# Altium PCB PiMX8MPIODB_r0.1.PcbDoc (part 2 of 3)
Units mm, origin at the board's own origin, x right, y up, seen from the top; angles counter-clockwise.
Board outline 54.2 x 38.2 mm, 6 copper layers (Top Layer, L2 GND, L3 SIG, GND, GND (Mid2), Bottom Layer), stack 1.538 mm thick; 73 components, 73 nets, 333 pads, 771 vias.
Unrouted connection lines stored in the file: 39.
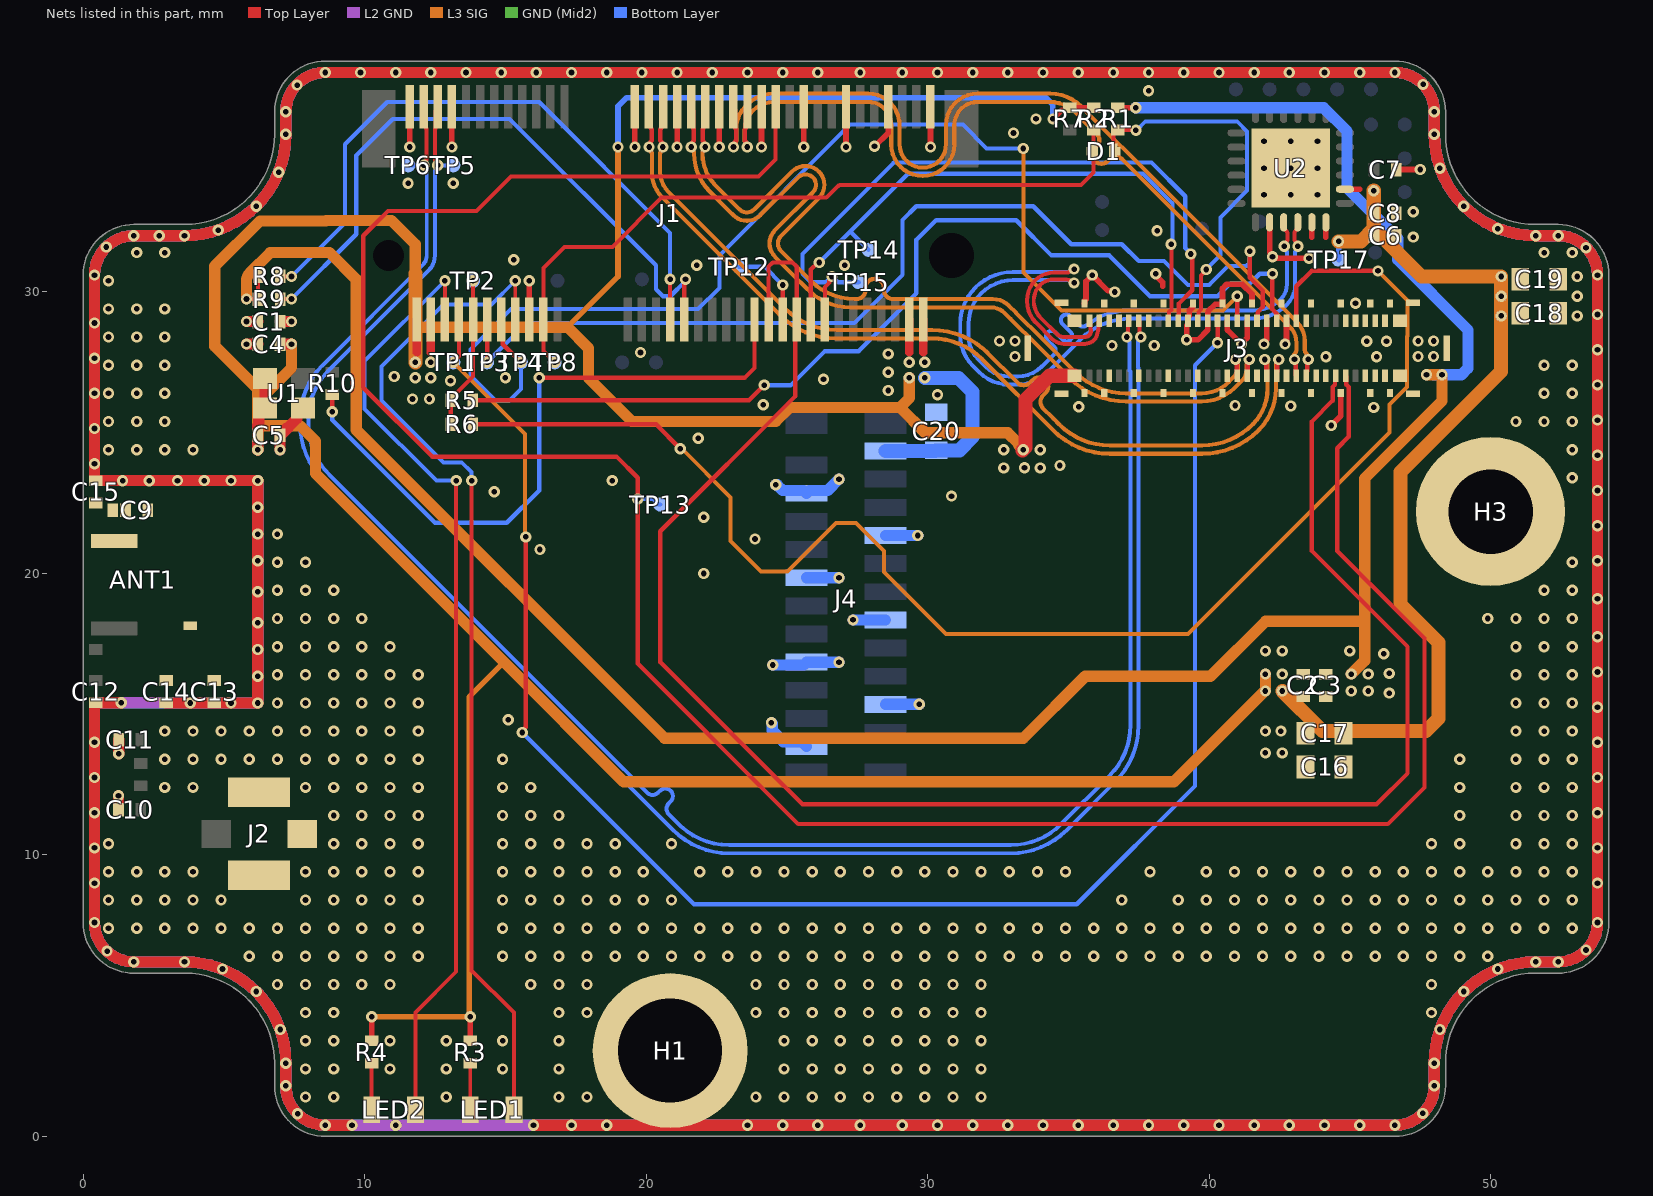
[diagram p6: the nets of this part, all layers, seen from the top]

## Via types
v1: diameter 0.4/0.4/0.4/0.4/0.4/0.4 (per signal layer), hole 0.2, Top Layer to Bottom Layer, tented both sides, 389 vias
v2: diameter 0.4, hole 0.2, Top Layer to Bottom Layer, tented both sides, 382 vias

## Nets (pads, with @x,y where several pads share a name; then routed paths per layer and width w, separated by ;. In a path a pad name is that pad's centre, name@x,y a point inside that pad or via, vN(x,y) a via of type N, cw(c..) or ccw(c..) an arc to the next point about the centre after c; other vN are vias at no path point) (continued)
GND: C1.2 C2.2 C3.2 C4.2 C5.2 C6.2 C7.2 C8.2 C10.2 C11.2 C12.1 C13.2 C14.2 C15.2 C16.2 C17.2 C18.2 C19.2 C20.2 H1.MT H3.MT J1.1 J1.7 J1.18 J1.33 J1.39 J1.45 J1.51 J1.57 J1.63 J1.69 J1.75 J2.2 J3.5 J3.6 J3.7 J3.12 J3.13 J3.18 J3.21 J3.24 J3.25 J3.29 J3.30 J3.33 J3.36 J3.37 J3.41 J3.42 J3.45 J3.48 J3.50 J3.53 J3.55 J3.57 J3.58 J3.59 J3.60 J3.61 J3.62 J3.P1 J3.P3 J3.SHD J4.1 J4.4 J4.7 J4.10 J4.13 J4.16 J4.19 U1.2 U2.2 U2.25 | length 768.2
  Top Layer w0.2: v2(11.6,35.15) J1.1@11.6,36.575 ; v2(13.1,35.15) J1.7@13.1,36.575 ; J1.18@15.85,29.025 v2(15.85,30.4) ; v2@19.6,35.224 J1.33@19.6,36.575 ; v2@21.1,35.2 J1.39@21.1,36.575 ; v2(22.6,35.15) J1.45@22.6,36.575 ; v2(24.1,35.15) J1.51@24.1,36.575 ; v2(25.6,35.15) J1.57@25.6,36.575 ; v2(27.1,35.15) J1.63@27.1,36.575 ; v2@28.1,35.15 28.6,35.65 J1.69@28.6,36.575 ; v2(30.1,35.15) J1.75@30.1,36.575 ; J3.SHD@35.575,29.59 35.585,29.6 35.585,29.705 35.628,29.747 35.628,30.378 v2(35.85,30.6) 36.412,30.038 36.612,30.038 v2(36.65,30) ; v2(38.1,30.65) 38.1,30.596 38.35,30.346 38.35,30.2 ; J3.SHD@39.425,29.59 39.415,29.58 39.415,29.457 39.3,29.342 39.3,29.15 39.25,29.1 J3.21@39.25,28.975 39.25,28.85 39.2,28.8 v2(39.2,28.3) 39.6,28.3 39.95,28.65 J3.25@39.95,28.975 39.95,29.257 39.965,29.272 39.965,29.315 40.22,29.57 40.465,29.57 40.475,29.58 J3.SHD@40.475,29.59 40.475,30.125 40.625,30.275 41.176,30.275 41.525,29.926 J3.SHD@41.525,29.59 ; J3.29@40.65,28.975 40.65,28.65 v2(41.15,28.15) 41.15,28.167 41.35,28.367 J3.33@41.35,28.975 ; v2(41.95,28.15) 41.95,28.204 42.05,28.304 J3.37@42.05,28.975 ; U2.2@42.15,32.475 42.15,31.404 42.25,31.304 v2(42.25,31.25) 42.288,31.212 42.43,31.212 42.441,31.2 v2(43.55,31.2) ; v2(42.7,28.15) 42.7,28.204 42.75,28.254 J3.41@42.75,28.975 ; v2(44.338,25.258) 44.675,25.595 J3.SHD@44.675,26.41 ; C7.2@46.645,34.35 v2(47.5,34.35)
  Top Layer w0.4: C12.1@0.4,15.4 v2(0.4,7.6) ccw(c1.8,7.6) v2(1.8,6.2) v2(3.6,6.2) cw(c3.6,2.6) v2(7.2,2.6) v2(7.2,1.8) ccw(c8.6,1.8) v2(8.6,0.4) v2(9.55,0.4) ; C12.1@0.45,15.405 v2(1.35,15.405) ; C10.2@1.255,11.6 v2(1.255,12.1) ; v2(1.26,13.6) C11.2@1.26,14.1 ; C14.2@2.95,15.4 v2(6.2,15.4) v2(6.2,16.35) v2(6.2,17.3) v2(6.2,21.4) v2(6.2,22.35) v2(6.2,23.3) 0.4,23.3 v2(0.4,30.6) cw(c1.8,30.6) v2(1.8,32) v2(3.6,32) ccw(c3.6,35.6) v2(7.2,35.6) v2(7.2,36.4) cw(c8.6,36.4) v2(8.6,37.8) v2(26.1,37.8) v2(27.6,37.8) v2(29.1,37.8) v2(46.6,37.8) cw(c46.6,36.4) v2(48,36.4) v2(48,35.6) ccw(c51.6,35.6) v2(51.6,32) v2(52.4,32) cw(c52.4,30.6) v2(53.8,30.6) v2(53.8,7.6) cw(c52.4,7.6) v2(52.4,6.2) v2(51.6,6.2) ccw(c51.6,2.6) v2(48,2.6) v2(48,1.8) cw(c46.6,1.8) v2(46.6,0.4) v2(16,0.4) ; v2(5.8,28.15) C4.2@6.205,28.15 ; v2(5.8,28.95) C1.2@6.205,28.95 ; v2(6.995,24.4) C5.2@6.995,24.905 6.995,24.935 7.005,24.945 7.035,24.945 7.584,25.494 7.584,25.705 7.759,25.88 U1.2@7.809,25.88
  L2 GND w0.4: 0.4,15.4 v2(0.4,7.6) ccw(c1.8,7.6) v2(1.8,6.2) v2(3.6,6.2) cw(c3.6,2.6) v2(7.2,2.6) v2(7.2,1.8) ccw(c8.6,1.8) v2(8.6,0.4) v2(16,0.4) v2(46.6,0.4) ccw(c46.6,1.8) v2(48,1.8) v2(48,2.6) cw(c51.6,2.6) v2(51.6,6.2) v2(52.4,6.2) ccw(c52.4,7.6) v2(53.8,7.6) v2(53.8,30.6) ccw(c52.4,30.6) v2(52.4,32) v2(51.6,32) cw(c51.6,35.6) v2(48,35.6) v2(48,36.4) ccw(c46.6,36.4) v2(46.6,37.8) v2(29.1,37.8) v2(27.6,37.8) v2(26.1,37.8) v2(8.6,37.8) ccw(c8.6,36.4) v2(7.2,36.4) v2(7.2,35.6) cw(c3.6,35.6) v2(3.6,32) v2(1.8,32) ccw(c1.8,30.6) v2(0.4,30.6) 0.4,23.3 v2(6.2,23.3) v2(6.2,22.35) v2(6.2,21.4) v2(6.2,17.3) v2(6.2,16.35) v2(6.2,15.4) 2.95,15.4 ; 0.45,15.405 2.95,15.405
  GND (Mid2) w0.4: 0.4,15.4 v2(0.4,7.6) ccw(c1.8,7.6) v2(1.8,6.2) v2(3.6,6.2) cw(c3.6,2.6) v2(7.2,2.6) v2(7.2,1.8) ccw(c8.6,1.8) v2(8.6,0.4) v2(16,0.4) v2(46.6,0.4) ccw(c46.6,1.8) v2(48,1.8) v2(48,2.6) cw(c51.6,2.6) v2(51.6,6.2) v2(52.4,6.2) ccw(c52.4,7.6) v2(53.8,7.6) v2(53.8,30.6) ccw(c52.4,30.6) v2(52.4,32) v2(51.6,32) cw(c51.6,35.6) v2(48,35.6) v2(48,36.4) ccw(c46.6,36.4) v2(46.6,37.8) v2(29.1,37.8) v2(27.6,37.8) v2(26.1,37.8) v2(8.6,37.8) ccw(c8.6,36.4) v2(7.2,36.4) v2(7.2,35.6) cw(c3.6,35.6) v2(3.6,32) v2(1.8,32) ccw(c1.8,30.6) v2(0.4,30.6) 0.4,23.3 v2(6.2,23.3) v2(6.2,22.35) v2(6.2,21.4) v2(6.2,17.3) v2(6.2,16.35) v2(6.2,15.4) 2.95,15.4 ; 0.45,15.405 2.95,15.405
  Bottom Layer w0.25: J4.7@25.6,16.75 J4.7@25.7,16.85
  Bottom Layer w0.4: 0.4,15.4 v2(0.4,7.6) ccw(c1.8,7.6) v2(1.8,6.2) v2(3.6,6.2) cw(c3.6,2.6) v2(7.2,2.6) v2(7.2,1.8) ccw(c8.6,1.8) v2(8.6,0.4) v2(16,0.4) v2(46.6,0.4) ccw(c46.6,1.8) v2(48,1.8) v2(48,2.6) cw(c51.6,2.6) v2(51.6,6.2) v2(52.4,6.2) ccw(c52.4,7.6) v2(53.8,7.6) v2(53.8,30.6) ccw(c52.4,30.6) v2(52.4,32) v2(51.6,32) cw(c51.6,35.6) v2(48,35.6) v2(48,36.4) ccw(c46.6,36.4) v2(46.6,37.8) v2(29.1,37.8) v2(27.6,37.8) v2(26.1,37.8) v2(8.6,37.8) ccw(c8.6,36.4) v2(7.2,36.4) v2(7.2,35.6) cw(c3.6,35.6) v2(3.6,32) v2(1.8,32) ccw(c1.8,30.6) v2(0.4,30.6) 0.4,23.3 v2(6.2,23.3) v2(6.2,22.35) v2(6.2,21.4) v2(6.2,17.3) v2(6.2,16.35) v2(6.2,15.4) 2.95,15.4 ; 0.45,15.405 2.95,15.405 ; v2(24.45,14.7) 24.479,14.671 24.479,14.421 24.875,14.025 25.525,14.025 J4.1@25.7,13.85 ; v2(24.5,16.75) J4.7@25.6,16.75 ; v2(24.6,23.15) 24.654,23.15 24.854,22.95 25.6,22.95 J4.19@25.7,22.85 25.8,22.95 26.45,22.95 v2(26.85,23.35) ; J4.7@25.7,16.85 v2(26.85,16.85) ; J4.13@25.7,19.85 v2(26.85,19.85) ; v2(27.35,18.35) J4.10@28.5,18.35 ; J4.4@28.5,15.35 v2(29.7,15.35) ; J4.16@28.5,21.35 v2(29.65,21.35)
  other v1: 7.9,1.4 8.9,1.4 12.9,1.4 16.9,1.4 17.9,1.4 23.9,1.4 24.9,1.4 25.9,1.4 26.9,1.4 27.9,1.4 28.9,1.4 29.9,1.4 30.9,1.4 31.9,1.4 7.9,2.4 8.9,2.4 10.9,2.4 12.9,2.4 14.9,2.4 16.9,2.4 24.9,2.4 25.9,2.4 26.9,2.4 27.9,2.4 28.9,2.4 29.9,2.4 30.9,2.4 31.9,2.4 7.9,3.4 8.9,3.4 10.9,3.4 12.9,3.4 14.9,3.4 16.9,3.4 24.9,3.4 25.9,3.4 26.9,3.4 27.9,3.4 28.9,3.4 29.9,3.4 30.9,3.4 31.9,3.4 7.9,4.4 8.9,4.4 16.9,4.4 17.9,4.4 23.9,4.4 24.9,4.4 25.9,4.4 26.9,4.4 27.9,4.4 28.9,4.4 29.9,4.4 30.9,4.4 31.9,4.4 47.9,4.4 6.9,5.4 7.9,5.4 8.9,5.4 9.9,5.4 10.9,5.4 15.9,5.4 16.9,5.4 17.9,5.4 23.9,5.4 24.9,5.4 25.9,5.4 26.9,5.4 27.9,5.4 28.9,5.4 29.9,5.4 30.9,5.4 31.9,5.4 47.9,5.4 5.9,6.4 6.9,6.4 7.9,6.4 8.9,6.4 9.9,6.4 10.9,6.4 11.9,6.4 14.9,6.4 15.9,6.4 16.9,6.4 17.9,6.4 18.9,6.4 19.9,6.4 20.9,6.4 21.9,6.4 22.9,6.4 23.9,6.4 24.9,6.4 25.9,6.4 26.9,6.4 27.9,6.4 28.9,6.4 29.9,6.4 30.9,6.4 31.9,6.4 32.9,6.4 33.9,6.4 34.9,6.4 35.9,6.4 36.9,6.4 37.9,6.4 38.9,6.4 39.9,6.4 40.9,6.4 41.9,6.4 42.9,6.4 43.9,6.4 44.9,6.4 45.9,6.4 46.9,6.4 47.9,6.4 48.9,6.4 49.9,6.4 0.9,7.4 1.9,7.4 2.9,7.4 3.9,7.4 4.9,7.4 5.9,7.4 6.9,7.4 7.9,7.4 8.9,7.4 9.9,7.4 10.9,7.4 11.9,7.4 14.9,7.4 15.9,7.4 16.9,7.4 17.9,7.4 18.9,7.4 19.9,7.4 20.9,7.4 21.9,7.4 22.9,7.4 23.9,7.4 24.9,7.4 25.9,7.4 26.9,7.4 27.9,7.4 28.9,7.4 29.9,7.4 30.9,7.4 31.9,7.4 32.9,7.4 33.9,7.4 34.9,7.4 35.9,7.4 36.9,7.4 37.9,7.4 38.9,7.4 39.9,7.4 40.9,7.4 41.9,7.4 42.9,7.4 43.9,7.4 44.9,7.4 45.9,7.4 46.9,7.4 47.9,7.4 48.9,7.4 49.9,7.4 50.9,7.4 51.9,7.4 52.9,7.4 0.9,8.4 1.9,8.4 2.9,8.4 3.9,8.4 4.9,8.4 7.9,8.4 8.9,8.4 9.9,8.4 10.9,8.4 11.9,8.4 14.9,8.4 15.9,8.4 16.9,8.4 17.9,8.4 18.9,8.4 19.9,8.4 20.9,8.4 36.9,8.4 38.9,8.4 39.9,8.4 40.9,8.4 41.9,8.4 42.9,8.4 43.9,8.4 44.9,8.4 45.9,8.4 46.9,8.4 47.9,8.4 48.9,8.4 49.9,8.4 50.9,8.4 51.9,8.4 52.9,8.4 0.9,9.4 1.9,9.4 2.9,9.4 3.9,9.4 7.9,9.4 8.9,9.4 9.9,9.4 10.9,9.4 11.9,9.4 14.9,9.4 15.9,9.4 16.9,9.4 17.9,9.4 18.9,9.4 19.9,9.4 21.9,9.4 22.9,9.4 23.9,9.4 24.9,9.4 25.9,9.4 26.9,9.4 27.9,9.4 28.9,9.4 29.9,9.4 30.9,9.4 31.9,9.4 32.9,9.4 33.9,9.4 34.9,9.4 37.9,9.4 39.9,9.4 40.9,9.4 41.9,9.4 42.9,9.4 43.9,9.4 44.9,9.4 45.9,9.4 46.9,9.4 47.9,9.4 48.9,9.4 49.9,9.4 50.9,9.4 51.9,9.4 52.9,9.4 0.9,10.4 8.9,10.4 9.9,10.4 10.9,10.4 11.9,10.4 14.9,10.4 15.9,10.4 16.9,10.4 17.9,10.4 18.9,10.4 20.9,10.4 47.9,10.4 48.9,10.4 50.9,10.4 51.9,10.4 52.9,10.4 8.9,11.4 9.9,11.4 10.9,11.4 11.9,11.4 14.9,11.4 15.9,11.4 16.9,11.4 48.9,11.4 50.9,11.4 51.9,11.4 52.9,11.4 2.9,12.4 3.9,12.4 7.9,12.4 8.9,12.4 9.9,12.4 10.9,12.4 11.9,12.4 14.9,12.4 15.9,12.4 48.9,12.4 50.9,12.4 51.9,12.4 52.9,12.4 2.9,13.4 3.9,13.4 4.9,13.4 5.9,13.4 6.9,13.4 7.9,13.4 8.9,13.4 9.9,13.4 10.9,13.4 11.9,13.4 14.9,13.4 48.9,13.4 50.9,13.4 51.9,13.4 52.9,13.4 2.9,14.4 3.9,14.4 4.9,14.4 5.9,14.4 6.9,14.4 7.9,14.4 8.9,14.4 9.9,14.4 10.9,14.4 11.9,14.4 50.9,14.4 51.9,14.4 52.9,14.4 6.9,15.4 7.9,15.4 8.9,15.4 9.9,15.4 10.9,15.4 11.9,15.4 50.9,15.4 51.9,15.4 52.9,15.4 6.9,16.4 7.9,16.4 8.9,16.4 9.9,16.4 10.9,16.4 11.9,16.4 50.9,16.4 51.9,16.4 52.9,16.4 6.9,17.4 7.9,17.4 8.9,17.4 9.9,17.4 10.9,17.4 50.9,17.4 51.9,17.4 52.9,17.4 6.9,18.4 7.9,18.4 8.9,18.4 9.9,18.4 49.9,18.4 50.9,18.4 51.9,18.4 52.9,18.4 6.9,19.4 7.9,19.4 8.9,19.4 51.9,19.4 52.9,19.4 6.9,20.4 7.9,20.4 52.9,20.4 6.9,21.4 52.9,23.4 0.9,24.4 1.9,24.4 2.9,24.4 3.9,24.4 52.9,24.4 0.9,25.4 1.9,25.4 2.9,25.4 50.9,25.4 51.9,25.4 52.9,25.4 0.9,26.4 1.9,26.4 2.9,26.4 51.9,26.4 52.9,26.4 0.9,27.4 1.9,27.4 2.9,27.4 51.9,27.4 52.9,27.4 0.9,28.4 1.9,28.4 2.9,28.4 0.9,29.4 1.9,29.4 2.9,29.4 0.9,30.4 1.9,31.4 2.9,31.4 51.9,31.4 52.9,31.4
  other v2: 11.1,0.4 17.35,0.4 18.6,0.4 23.6,0.4 24.85,0.4 26.1,0.4 27.6,0.4 29.1,0.4 30.35,0.4 31.6,0.4 32.85,0.4 34.1,0.4 35.35,0.4 36.6,0.4 37.85,0.4 39.1,0.4 40.35,0.4 41.6,0.4 42.85,0.4 44.1,0.4 45.35,0.4 7.618,0.806 47.592,0.818 7,3.8 48.2,3.8 6.15,5.15 49.05,5.15 4.95,5.95 50.25,5.95 0.85,6.586 53.39,6.624 0.4,9 53.8,9 0.4,10.25 53.8,10.25 0.4,11.5 53.8,11.5 0.4,12.75 53.8,12.75 42,13.625 42.6,13.625 0.4,14 53.8,14 42,14.4 42.55,14.4 15.1,14.8 53.8,15.25 3.8,15.4 5.25,15.4 46.4,15.75 46.4,16.45 53.8,16.5 46.2,17.15 42,17.25 42.6,17.25 45,17.25 53.8,17.75 6.2,18.25 53.8,19.1 6.2,19.35 22.05,20 6.2,20.45 53.8,20.45 16.225,20.85 23.868,21.223 53.8,21.7 22.05,22 30.85,22.75 14.6,22.9 53.8,22.95 1.4,23.295 2.35,23.295 3.35,23.3 4.3,23.3 5.25,23.3 18.8,23.3 32.7,23.75 34.7,23.836 0.4,23.9 53.8,24.2 32.7,24.4 21.85,24.8 0.4,25.15 53.8,25.45 35.372,25.919 45.85,25.9 40.922,25.969 42.9,25.95 24.161,25.993 11.7,26.2 12.3,26.2 30.35,26.35 0.4,26.4 28.6,26.5 53.8,26.7 13.05,26.85 26.3,26.9 15,26.95 11.05,27 28.6,27.15 0.4,27.65 33.105,27.71 44.15,27.7 45.95,27.7 47.425,27.71 47.975,27.71 28.6,27.8 19.8,27.85 53.8,27.95 36.55,28.1 38.05,28.1 45.6,28.25 46.3,28.25 32.555,28.26 33.105,28.26 47.425,28.26 47.975,28.26 0.4,28.9 53.075,29.15 53.8,29.2 45.2,29.6 53.075,29.85 53.075,30.55 21.8,30.95 27.05,30.95 15.3,31.15 53.39,31.576 0.821,31.598 47.25,31.95 2.7,32 38.151,32.171 4.8,32.2 50.25,32.25 47.25,32.85 6.15,33.05 49.05,33.05 41.95,33.45 42.9,33.45 43.85,33.45 11.543,33.861 13.143,33.861 6.95,34.25 41.95,34.4 42.9,34.4 43.85,34.4 48.2,34.4 19.6,35.15 21.1,35.15 28.111,35.174 41.95,35.35 42.9,35.35 43.85,35.35 33.05,35.65 33.85,36.15 37.85,37.15 7.6,37.35 47.602,37.375 9.85,37.8 11.1,37.8 12.35,37.8 13.6,37.8 14.85,37.8 16.1,37.8 17.35,37.8 18.6,37.8 19.85,37.8 21.1,37.8 22.35,37.8 23.6,37.8 24.85,37.8 30.35,37.8 31.6,37.8 32.85,37.8 34.1,37.8 35.35,37.8 36.6,37.8 37.85,37.8 39.1,37.8 40.35,37.8 41.6,37.8 42.85,37.8 44.1,37.8 45.35,37.8
I2C_SCL: J1.60 J3.19 TP15.TP | length 24.8
  Top Layer w0.15: J1.60@26.35,29.025 26.35,30.182 26.508,30.341 26.508,30.391 26.6,30.482 v2(26.6,30.55) ; J3.19@38.9,28.975 38.925,29 38.925,29.587 39.4,30.062 39.4,31.137 39.398,31.139 39.398,31.302 v2(39.35,31.35)
  Bottom Layer w0.15: TP15.TP@27.55,30.35 26.813,30.35 26.613,30.55 26.587,30.55 26.387,30.35 25.85,30.35 25.55,30.65 25.55,31.35 28.8,34.6 37.95,34.6 39.15,33.4 39.15,31.563 39.35,31.363 v2(39.35,31.35)
I2C_SDA: J1.58 J3.17 TP14.TP | length 21.6
  Top Layer w0.15: J1.58@25.85,29.025 25.85,30.8 26.1,31.05 v2(26.15,31.05) ; J3.17@38.55,28.975 38.575,29 38.575,29.293 38.66,29.378 38.66,31.69 v2(38.65,31.7)
  Bottom Layer w0.15: v2(26.15,31.05) 27.25,32.15 ; TP14.TP@27.9,31.5 27.25,32.15 ; v2(38.65,31.7) 38.698,31.748 38.698,31.911 38.7,31.913 38.7,33.15 37.65,34.2 29.3,34.2 27.25,32.15
M.2E_BT_WAKE: D1.1 J1.20 R2.1 TP8.TP | length 26
  Top Layer w0.14: v2(16.75,27.5) 16.35,27.9 J1.20@16.35,29.025 16.35,30.85 17.1,31.6 18.8,31.6 20.55,33.35 26.342,33.35 ccw(c26.342,33.49) 26.441,33.391 26.809,33.759 cw(c26.908,33.66) 26.908,33.8 35.45,33.8 35.9,34.25 D1.1@35.9,35 R2.1@35.9,35.755
M.2E_DISABLE2: J1.54 TP12.TP | length 3
  Top Layer w0.15: J1.54@24.85,29.025 v2(24.85,30.25)
  Bottom Layer w0.15: TP12.TP@23.3,30.9 24.2,30.9 v2(24.85,30.25)
M.2E_LED1: J1.6 LED2.1 | length 34.4
  Top Layer w0.14: LED2.1@11.8,0.95 11.8,4.4 13.25,5.85 v2(13.25,23.3) ; J1.6@12.85,29.025 v2(12.85,30.4)
  Bottom Layer w0.14: v2(12.85,30.4) 10,27.55 10,25.85 12.55,23.3 v2(13.25,23.3)
M.2E_LED2: J1.16 LED1.1 | length 36.1
  Top Layer w0.14: v2(13.8,23.3) 13.8,5.9 15.3,4.4 LED1.1@15.3,0.95 ; J1.16@15.35,29.025 v2(15.35,30.4)
  Bottom Layer w0.14: v2(13.8,23.3) 13.8,23.6 13.45,23.95 12.8,23.95 10.6,26.15 10.6,27.35 12.8,29.55 14.5,29.55 v2(15.35,30.4)
M.2E_SUSCLK: J1.50 R10.2 | length 23.8
  Top Layer w0.15: v2(8.85,25.75) R10.2@8.85,26.36 ; v2(16.2,26.95) 23.5,26.95 23.85,27.3 J1.50@23.85,29.025
  Bottom Layer w0.15: v2(8.85,25.75) 8.851,25.449 12.5,21.8 15.05,21.8 16.2,22.95 v2(16.2,26.95)
NetANT1_2: ANT1.2 C9.1
NetANT1_3: ANT1.3 C13.1 C14.1
NetANT1_4: ANT1.4 C9.2 C15.1
NetJ1_10: J1.10 R5.2 R6.2 TP2.TP | length 5.4
  Top Layer w0.156: R6.2@13.055,25.3 R5.2@13.055,26.15 13.175,26.27 13.175,26.325 13.85,27 J1.10@13.85,29.025 v2(13.85,30.4)
NetJ1_38: J1.38 R8.2 | length 23.1
  Top Layer w0.14: J1.38@20.85,29.025 v2(20.85,30.45)
  Top Layer w0.15: R8.2@7.005,30.566 7.12,30.561 v2(7.4,30.55)
  Bottom Layer w0.14: v2(20.85,30.45) 20.85,32.1
  Bottom Layer w0.15: v2(7.4,30.55) 9.3,32.45 9.3,35.25 10.8,36.75 16.2,36.75 20.85,32.1
NetJ1_40: J1.40 R9.2 | length 23.5
  Top Layer w0.15: R9.2@7,29.75 7.115,29.75 v2(7.4,29.75) ; J1.40@21.35,29.025 21.35,30.45 v2(21.4,30.45)
  Bottom Layer w0.15: v2@7.45,29.75 v2(7.4,29.75) 9.7,32.05 9.7,34.85 11,36.15 15.15,36.15 20.35,30.95 20.35,30.1 20.6,29.85 20.857,29.85 v2@21.4,30.393
NetLED1_2: LED1.2 R3.1 | length 1.7
  Top Layer w0.14: LED1.2@13.75,0.95 R3.1@13.75,2.605
NetLED2_2: LED2.2 R4.1 | length 1.7
  Top Layer w0.14: LED2.2@10.25,0.95 R4.1@10.25,2.605
PCIE_CLK_N: J1.49 J3.44 | length 31.5
  Top Layer w0.161: v2(23.595,35.15) cw(c23.705,35.26) 23.549,35.26 23.549,35.299 ccw(c23.475,35.299) 23.527,35.352 cw(c23.58,35.405) 23.505,35.405 23.505,35.769 cw(c23.548,35.769) 23.518,35.799 ccw(c23.488,35.829) 23.53,35.829 23.53,36.407 cw(c23.768,36.407) J1.49@23.6,36.575 ; v2(43.035,27.605) 43.081,27.56 43.081,27.045 J3.44@43.1,27.025
  L3 SIG w0.147: v2(23.595,35.15) ccw(c23.43,35.15) 23.547,35.267 cw(c23.663,35.383) 23.498,35.383 23.498,35.732 cw(c24.504,35.732) 23.793,36.443 23.8,36.45 cw(c24.524,35.726) 24.524,36.75 25.719,36.75 27.884,36.75 cw(c27.884,35.927) 28.708,35.927 28.708,35.242 ccw(c29.828,35.242) 29.828,34.122 ccw(c29.828,35.242) 30.948,35.242 30.948,35.927 cw(c31.771,35.927) 31.771,36.75 33.025,36.75 34.35,36.75 cw(c34.35,35.47) 35.255,36.375 35.495,36.135 35.547,36.084 36.004,35.626 cw(c35.775,35.397) 36.004,35.169 35.944,35.109 ccw(c36.173,34.88) 35.944,34.652 ccw(c36.173,34.88) 36.402,34.652 36.461,34.711 cw(c36.69,34.483) 36.919,34.711 37.793,33.837 37.845,33.785 42.869,28.761 cw(c42.307,28.199) 43.102,28.199 43.102,27.942 cw(c42.928,27.942) 43.051,27.819 43.048,27.817 ccw(c43.165,27.7) v2@43,27.7
PCIE_CLK_P: J1.47 J3.46 | length 31.6
  Top Layer w0.161: J1.47@23.1,36.575 cw(c22.932,36.407) 23.169,36.407 23.169,35.829 ccw(c23.212,35.829) 23.182,35.799 cw(c23.152,35.769) 23.194,35.769 23.194,35.405 cw(c23.12,35.405) 23.173,35.352 ccw(c23.225,35.299) 23.151,35.299 23.151,35.26 cw(c22.995,35.26) v2(23.105,35.15) ; J3.46@43.45,27.025 43.45,27.15 43.479,27.179 43.479,27.559 v2(43.525,27.605)
  L3 SIG w0.147: v2(23.105,35.15) cw(c23.27,35.15) 23.153,35.267 ccw(c23.037,35.383) 23.202,35.383 23.202,35.793 cw(c24.356,35.793) 23.54,36.609 23.591,36.661 cw(c24.523,35.729) 24.523,37.047 25.719,37.047 27.884,37.047 cw(c27.884,35.927) 29.004,35.927 29.004,35.242 ccw(c29.828,35.242) 29.828,34.419 ccw(c29.828,35.242) 30.651,35.242 30.651,35.927 cw(c31.771,35.927) 31.771,37.047 33.025,37.047 34.352,37.047 cw(c34.352,35.475) 35.463,36.587 35.552,36.498 35.705,36.345 38.055,33.995 43.116,28.934 43.122,28.928 cw(c42.455,28.261) 43.398,28.261 43.398,27.942 ccw(c43.572,27.942) 43.449,27.819 43.452,27.817 cw(c43.335,27.7) v2@43.5,27.7
PCIe_CLK_REQ: J1.53 J3.54 TP13.TP | length 88.6
  Top Layer w0.15: J1.53@24.6,36.575 24.6,34.71 23.99,34.1 15.2,34.1 13.975,32.875 10.825,32.875 9.95,32 9.95,26.6 12.4,24.15 18.95,24.15 19.7,23.4 v2(19.7,22.65) 19.7,16.8 25.4,11.1 46.35,11.1 47.65,12.4 47.65,17.7 44.55,20.8 44.55,24.45 44.96,24.86 44.96,26.622 44.875,26.707 44.875,27 J3.54@44.85,27.025
  Bottom Layer w0.15: v2(19.7,22.65) 20.237,22.65 20.437,22.45 TP13.TP@20.5,22.45
PCIE_nRST: J1.52 J1.56 J3.52 | length 64
  Top Layer w0.15: J1.52@24.35,29.025 24.35,30.9 24.5,31.05 25.2,31.05 25.35,30.9 J1.56@25.35,29.025 25.3,28.975 25.3,26.3 20.5,21.5 20.5,16.85 25.55,11.8 45.95,11.8 47.05,12.9 47.05,17.4 43.65,20.8 43.65,25.4 44.39,26.14 44.39,26.622 44.475,26.707 44.475,27 J3.52@44.5,27.025
PCIE_RX_N: J1.37 J3.38 | length 31.5
  Top Layer w0.161: v2(20.595,35.15) cw(c20.705,35.26) 20.549,35.26 20.549,35.299 ccw(c20.475,35.299) 20.527,35.352 cw(c20.58,35.405) 20.505,35.405 20.505,35.769 cw(c20.548,35.769) 20.518,35.799 ccw(c20.488,35.829) 20.53,35.829 20.53,36.407 cw(c20.768,36.407) J1.37@20.6,36.575 ; v2(41.98,27.6) 42.026,27.554 42.026,27.174 42.05,27.15 J3.38@42.05,27.025
  L3 SIG w0.147: v2@20.595,35.15 cw(c20.43,35.15) 20.547,35.033 ccw(c20.663,34.917) 20.498,34.917 20.498,34.267 ccw(c21.5,34.267) 20.792,33.558 24.956,29.394 ccw(c26.752,31.19) 26.752,28.65 30.15,28.65 cw(c30.15,25.825) 32.147,27.823 33.135,26.835 33.187,26.783 ccw(c33.415,27.012) 33.644,26.783 33.733,26.872 cw(c33.962,26.643) 34.191,26.872 cw(c33.962,26.643) 34.191,26.415 34.101,26.326 ccw(c34.33,26.097) 34.101,25.868 34.431,25.539 34.482,25.487 34.676,25.294 ccw(c36.472,27.09) 36.472,24.55 39.748,24.55 ccw(c39.748,27.09) 41.544,25.294 41.55,25.3 ccw(c40.279,26.571) 42.077,26.571 42.077,27.459 ccw(c42.029,27.459) 42.063,27.493 cw(c42.097,27.527) 42.048,27.527 v2@42.048,27.583
PCIE_RX_P: J1.35 J3.40 | length 31.5
  Top Layer w0.161: J1.35@20.1,36.575 cw(c19.932,36.407) 20.169,36.407 20.169,35.829 ccw(c20.212,35.829) 20.182,35.799 cw(c20.152,35.769) 20.194,35.769 20.194,35.405 cw(c20.12,35.405) 20.173,35.352 ccw(c20.225,35.299) 20.151,35.299 20.151,35.26 cw(c19.995,35.26) v2(20.105,35.15) ; J3.40@42.4,27.025 42.4,27.15 42.424,27.174 42.424,27.554 v2(42.47,27.6)
  L3 SIG w0.147: v2@20.105,35.15 ccw(c20.27,35.15) 20.153,35.033 cw(c20.037,34.917) 20.202,34.917 20.202,34.264 ccw(c21.494,34.264) 20.58,33.35 24.748,29.183 ccw(c26.75,31.185) 26.75,28.353 30.145,28.353 cw(c30.145,25.813) 31.941,27.609 34.467,25.083 ccw(c36.47,27.085) 36.47,24.253 39.752,24.253 ccw(c39.752,27.081) 41.751,25.081 41.763,25.093 ccw(c40.288,26.567) 42.373,26.567 42.373,27.459 cw(c42.421,27.459) 42.387,27.493 ccw(c42.353,27.527) 42.402,27.527 v2@42.402,27.583
PCIEC_TX_N: J1.43 J3.32 | length 31.6
  Top Layer w0.161: v2(22.095,35.15) cw(c22.205,35.26) 22.049,35.26 22.049,35.299 ccw(c21.975,35.299) 22.027,35.352 cw(c22.08,35.405) 22.005,35.405 22.005,35.769 cw(c22.048,35.769) 22.018,35.799 ccw(c21.988,35.829) 22.03,35.829 22.03,36.407 cw(c22.268,36.407) J1.43@22.1,36.575 ; v2(40.935,27.605) 40.98,27.56 40.98,27.045 J3.32@41,27.025
  L3 SIG w0.14: 33.139,29.261 34.092,28.308 35.256,27.144 ccw(c37.052,28.94) 37.052,26.4 39.734,26.4 ccw(c39.734,27.766) 40.7,26.8
  L3 SIG w0.147: v2@22.095,35.15 cw(c21.93,35.15) 22.047,35.033 ccw(c22.163,34.917) 21.998,34.917 ccw(c23.604,34.917) 22.469,33.781 23.157,33.093 23.314,32.936 ccw(c23.577,33.201) 23.842,32.937 25.186,34.281 cw(c25.66,33.807) 26.134,34.281 cw(c25.66,33.807) 26.134,33.334 ; 25.863,30.387 25.712,30.538 24.789,31.461 cw(c25.053,31.725) 24.789,31.989 26.134,33.333 ; 25.864,30.386 ccw(c27.4,31.923) 27.4,29.75 27.473,29.75 ccw(c27.473,30.073) 27.797,30.073 27.797,30.146 cw(c28.12,30.146) 28.12,30.47 cw(c28.12,30.146) 28.444,30.146 28.444,30.073 ccw(c28.767,30.073) 28.767,29.75 29.8,29.75 32.313,29.75 cw(c32.313,28.924) 32.897,29.508 33.139,29.266 33.139,29.261 ; 40.7,26.8 40.711,26.811 40.711,26.816 40.871,26.976 ccw(c40.485,27.363) 41.032,27.363 41.032,27.372 ccw(c40.867,27.372) 40.983,27.488 cw(c41.1,27.605) v2(40.935,27.605)
PCIEC_TX_P: J1.41 J3.34 | length 31.6
  Top Layer w0.161: J1.41@21.6,36.575 cw(c21.432,36.407) 21.669,36.407 21.669,35.829 ccw(c21.712,35.829) 21.682,35.799 cw(c21.652,35.769) 21.694,35.769 21.694,35.405 cw(c21.62,35.405) 21.673,35.352 ccw(c21.725,35.299) 21.651,35.299 21.651,35.26 cw(c21.495,35.26) v2(21.605,35.15) ; J3.34@41.35,27.025 41.35,27.15 41.379,27.179 41.379,27.559 v2(41.425,27.605)
  L3 SIG w0.14: 32.934,29.056 33.914,28.076 33.915,28.075 35.05,26.94 ccw(c37.052,28.94) 37.052,26.11 39.734,26.11 ccw(c39.734,27.766) 40.905,26.595
  L3 SIG w0.147: v2@21.605,35.15 ccw(c21.77,35.15) 21.653,35.033 cw(c21.537,34.917) 21.702,34.917 ccw(c23.604,34.917) 22.259,33.572 22.947,32.884 23.103,32.727 ccw(c23.577,33.201) 24.051,32.727 25.396,34.071 cw(c25.66,33.807) 25.924,34.071 cw(c25.66,33.807) 25.925,33.544 24.579,32.199 ccw(c25.053,31.725) 24.58,31.25 25.416,30.415 25.503,30.328 25.74,30.09 ccw(c27.278,31.628) 27.278,29.453 32.251,29.453 cw(c32.251,28.775) 32.73,29.255 32.929,29.056 32.934,29.056 ; 40.905,26.595 41.005,26.695 41.009,26.695 41.169,26.854 ccw(c40.784,27.239) 41.328,27.239 41.328,27.372 cw(c41.493,27.372) 41.377,27.488 ccw(c41.26,27.605) v2(41.425,27.605)